# KiCad board obiwanstenobit.kicad_pcb
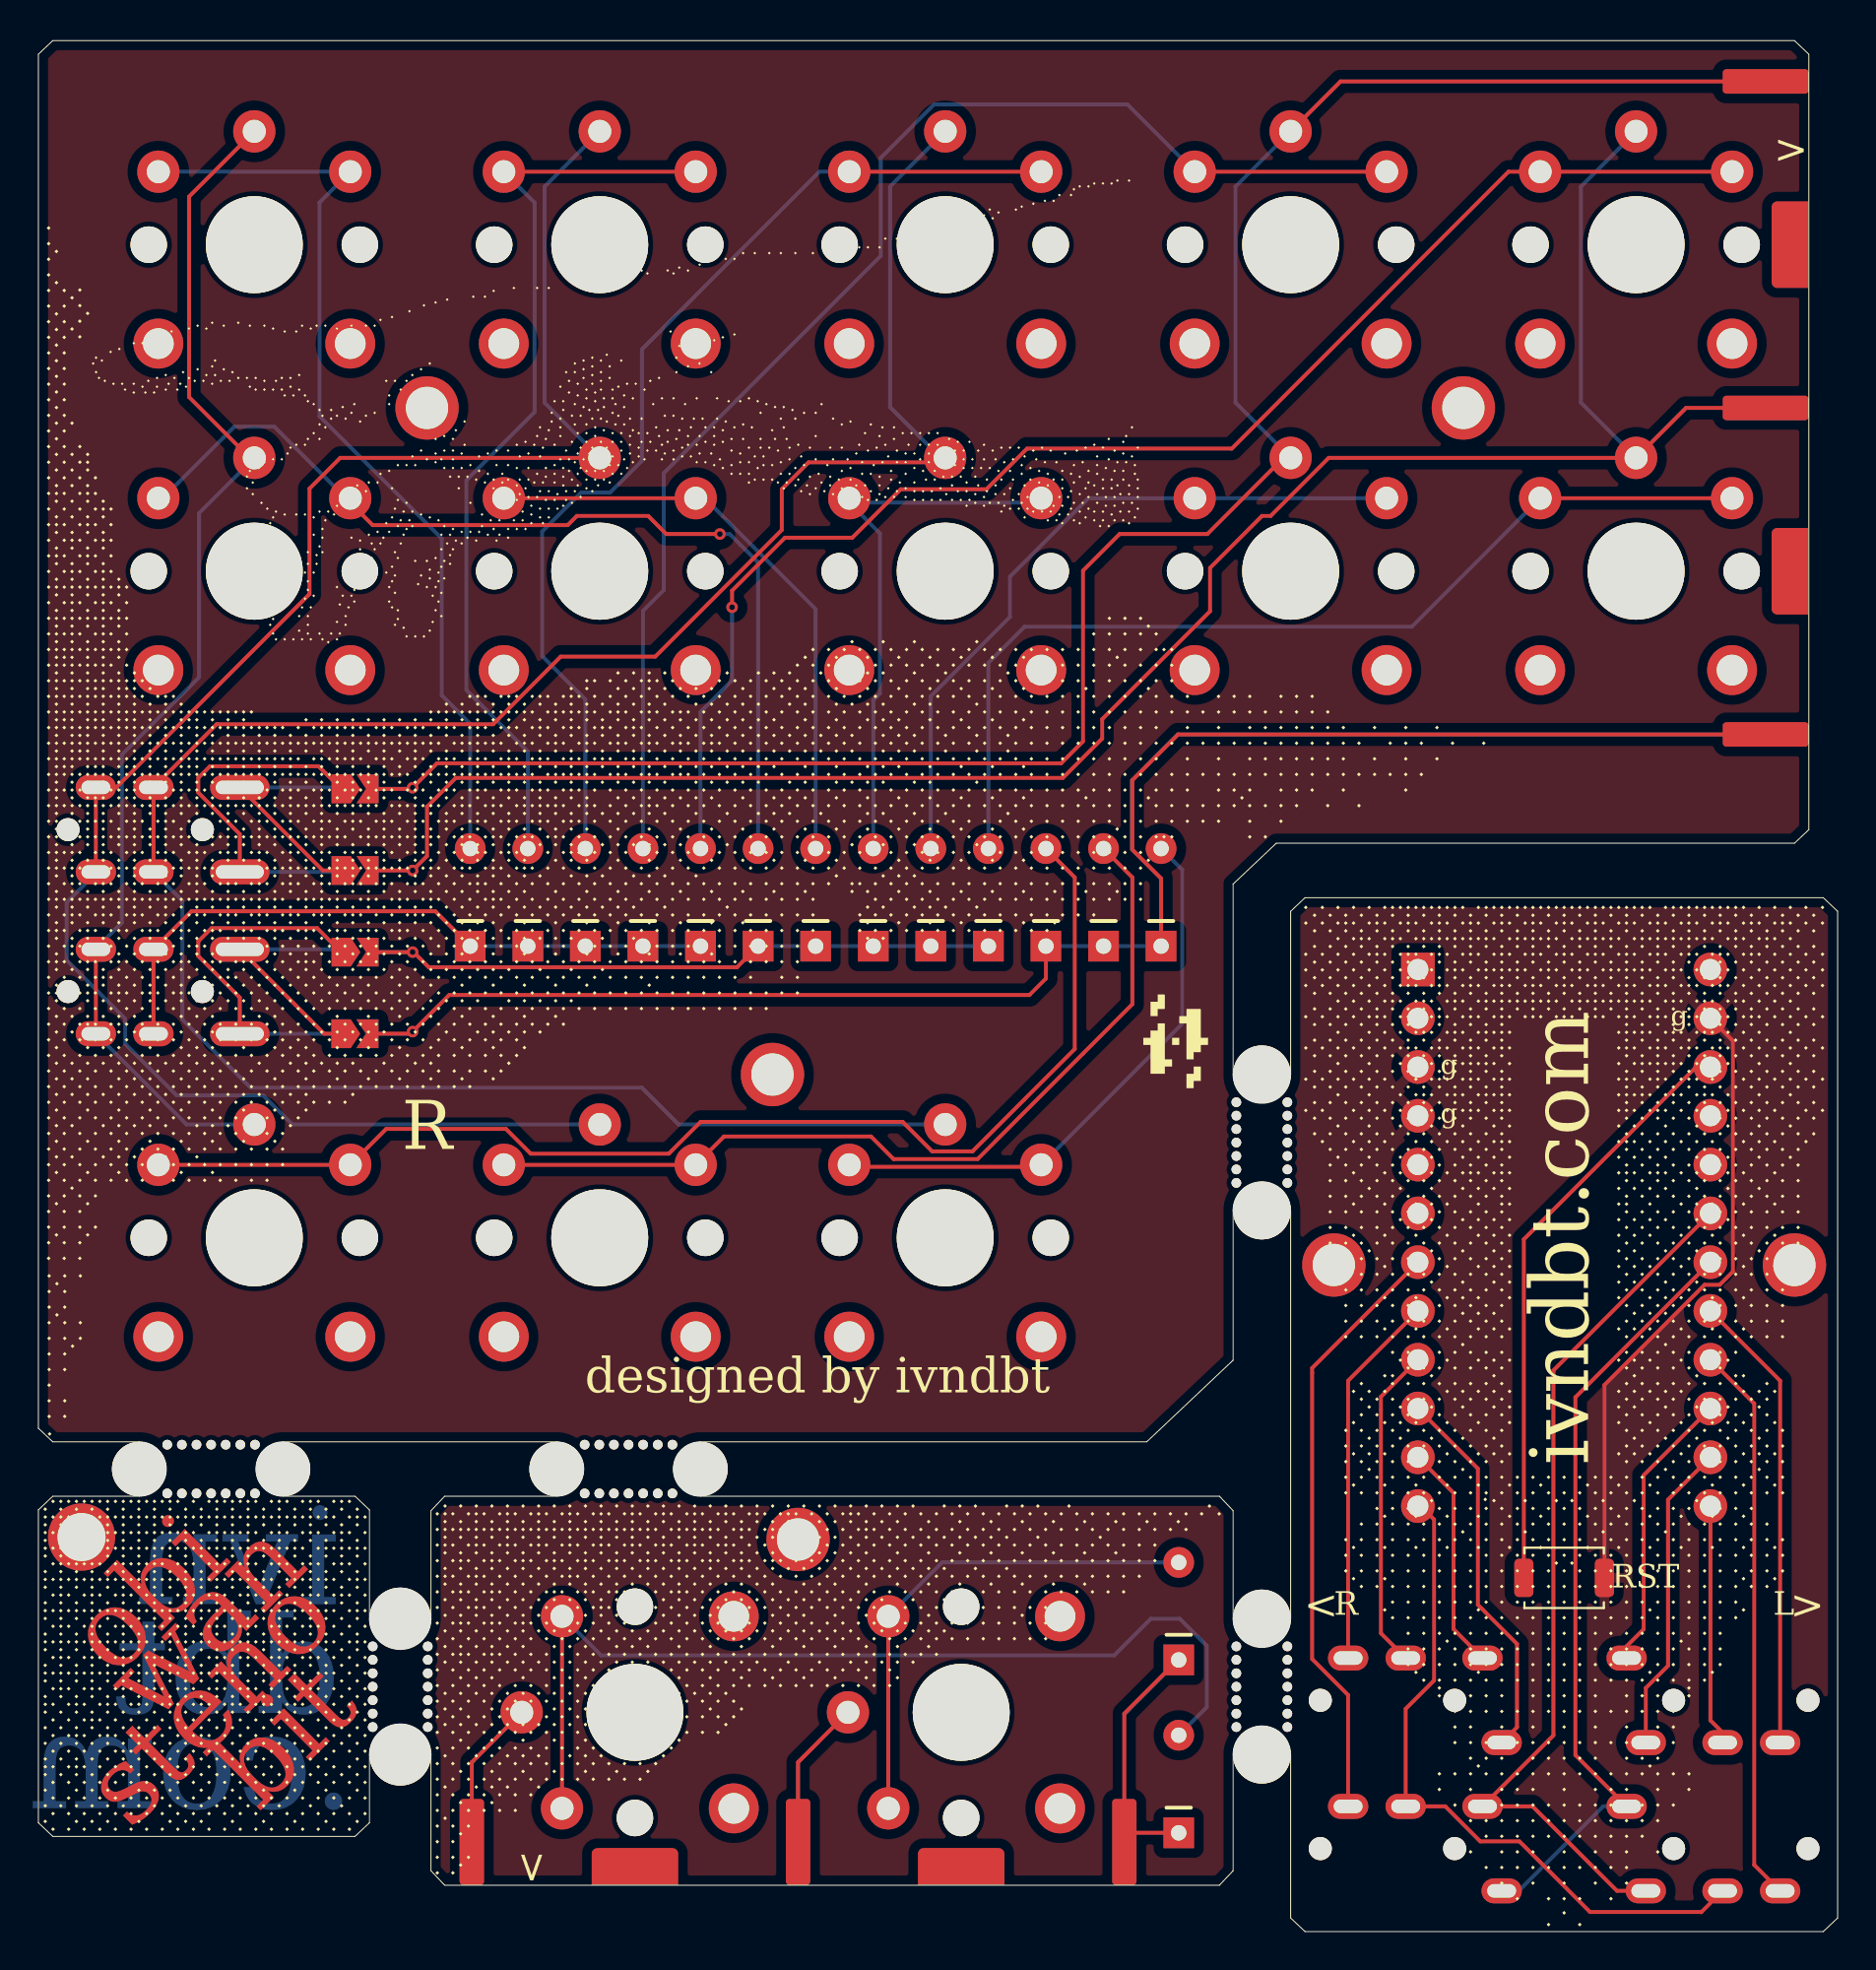
[diagram p0: board, top side]
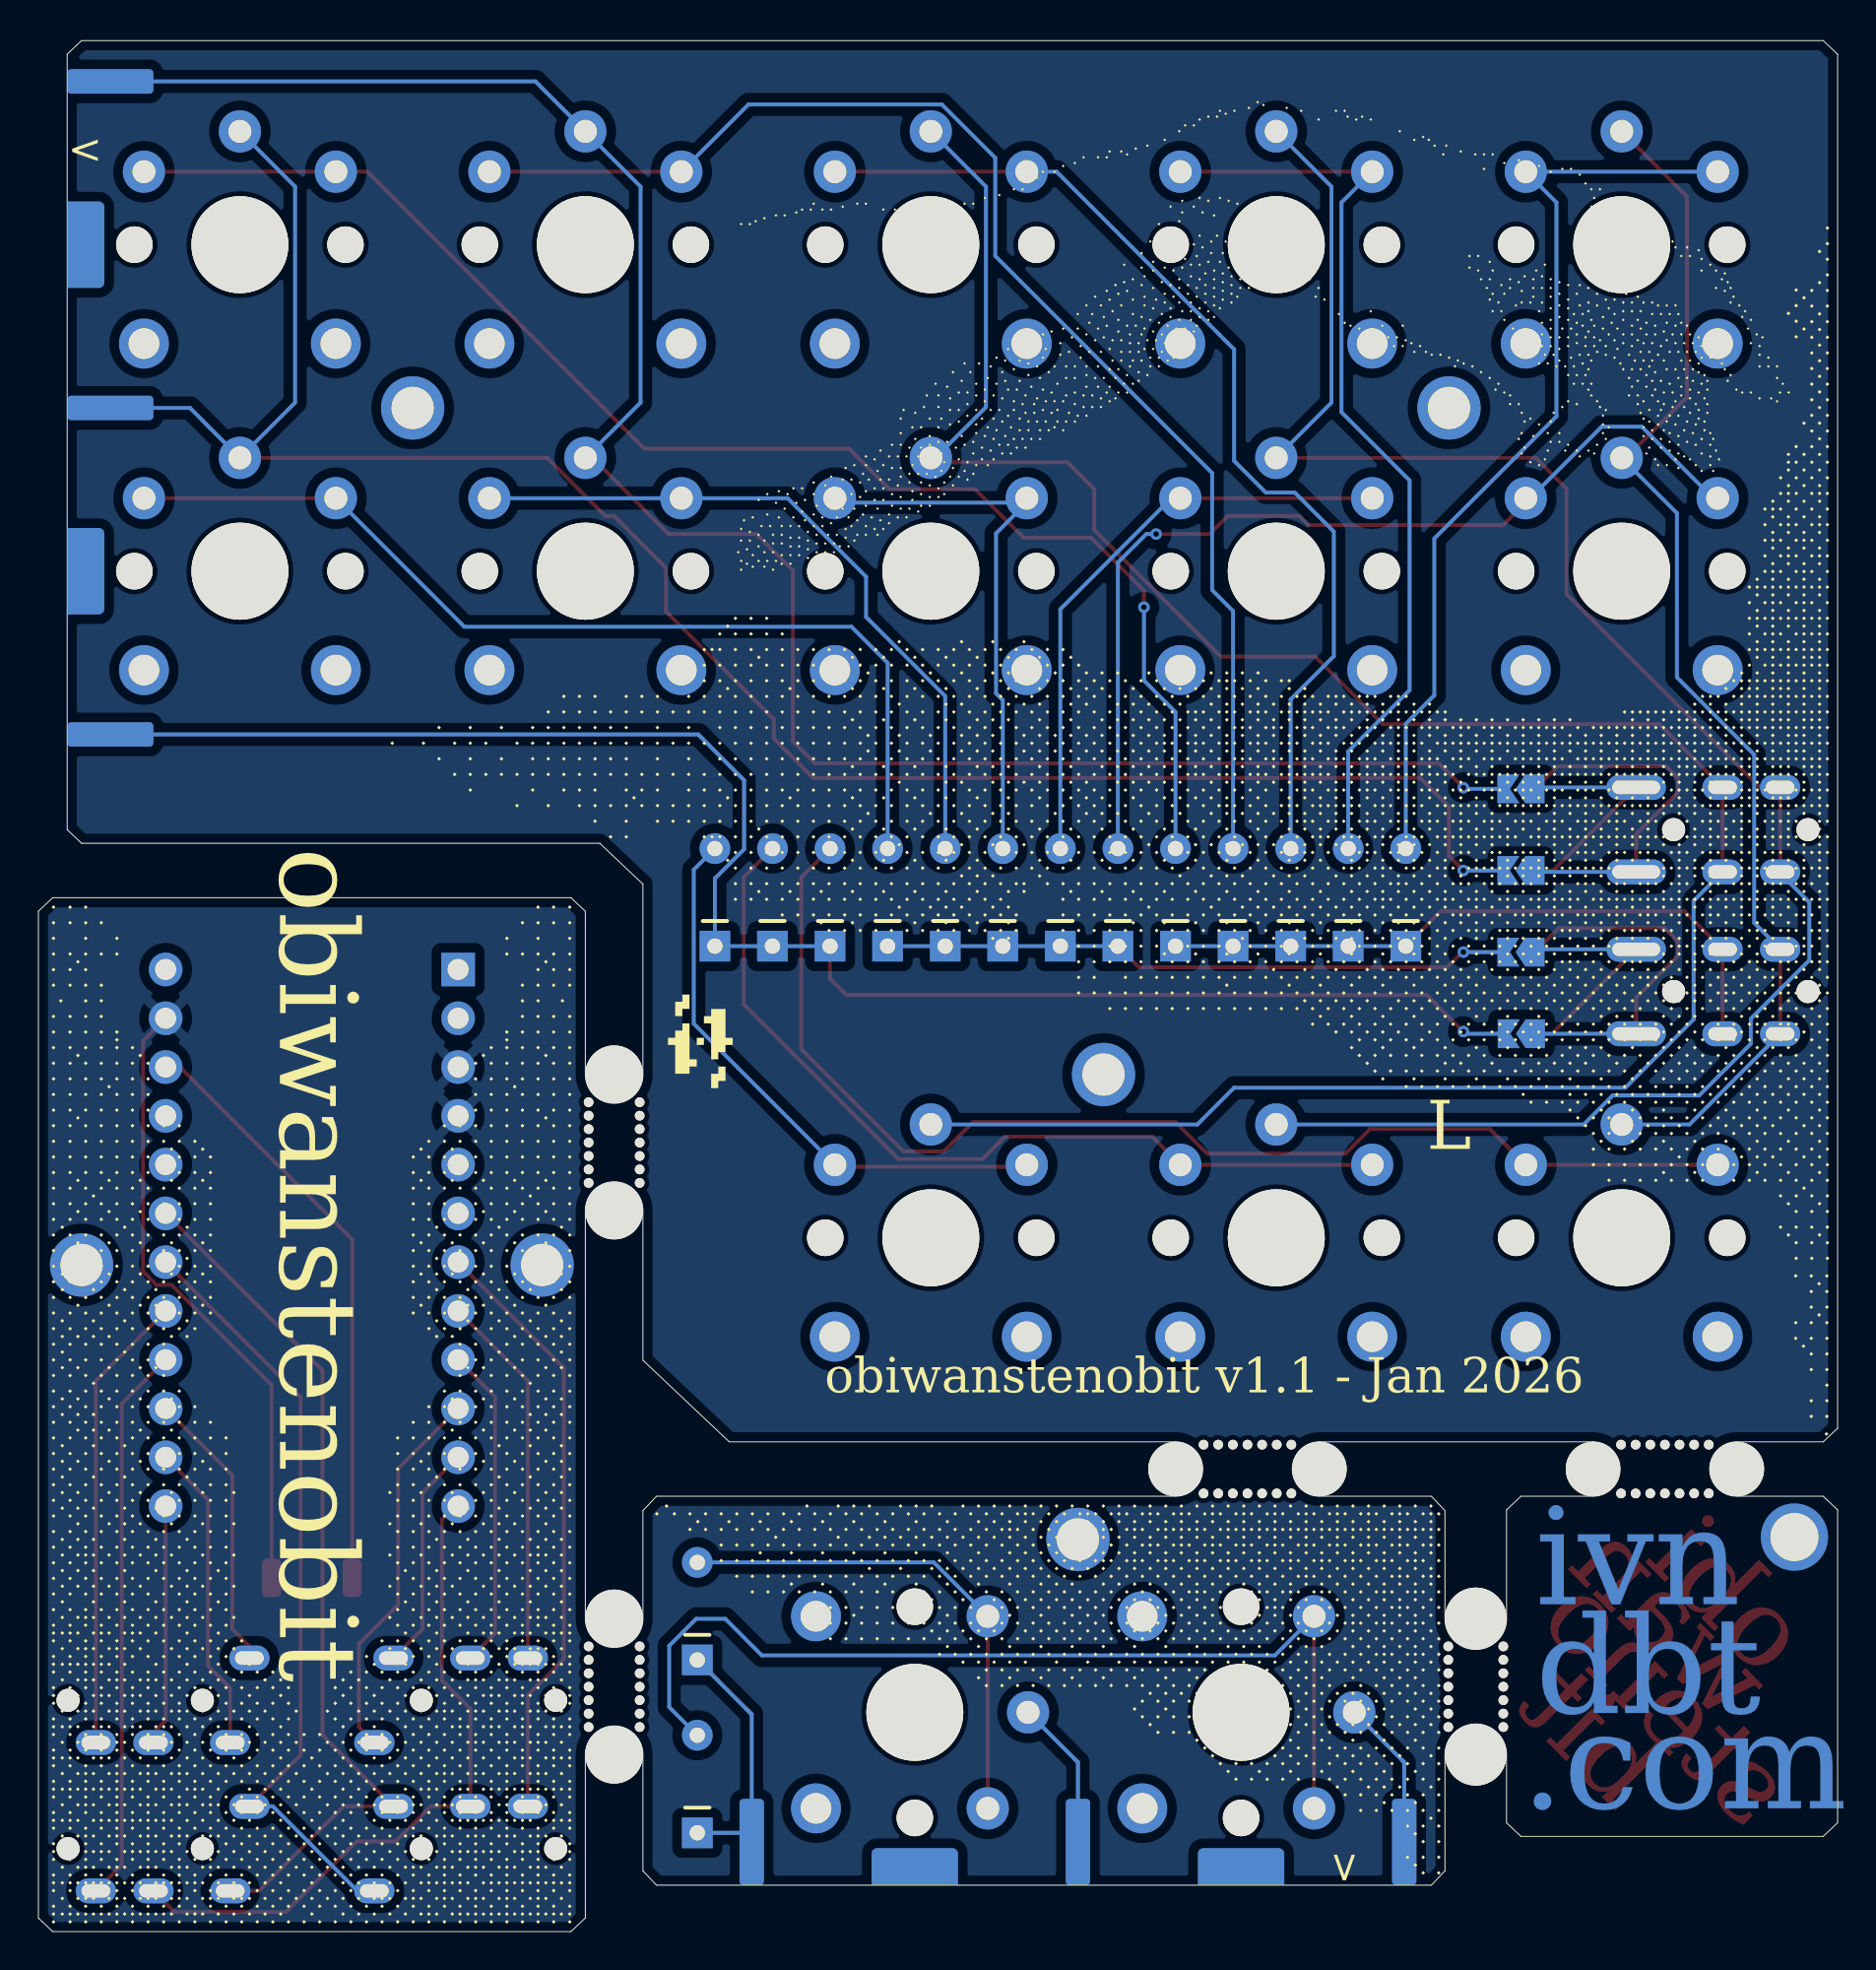
[diagram p1: board, bottom side, seen from below]

Outline 93.75 x 98.46 mm; copper layers: Top, Bottom. Coordinates in mm from the lower left corner of the outline.
Outline path: 0,97.75 0,26.21 0.75,25.5 5.25,25.5 arc(6.67,24.08) 5.25,22.67 0.75,22.67 0,21.96 0,5.67 0.75,4.96 16.5,4.96 17.25,5.67 17.25,9.21 arc(18.85,10.81) 20.46,9.21 20.46,3.17 21.17,2.42 61.54,2.42 62.25,3.17 62.25,9.21 arc(63.75,10.71) 65.25,9.21 65.25,0.71 66,0 93,0 93.75,0.71 93.75,53.12 93,53.83 66,53.83 65.25,53.12 65.25,44.62 arc(63.75,43.12) 62.25,44.62 62.25,54.54 64.5,56.67 91.5,56.67 92.25,57.37 92.25,97.75 91.5,98.46 0.75,98.46 0,97.75 ; 12.75,22.67 arc(11.33,24.08) 12.75,25.5 27,25.5 arc(28.42,24.08) 27,22.67 21.17,22.67 20.46,21.92 20.46,16.29 arc(18.85,14.69) 17.25,16.29 17.25,21.96 16.5,22.67 12.75,22.67 ; 34.5,22.67 arc(33.08,24.08) 34.5,25.5 57.75,25.5 62.25,29.75 62.25,37.54 arc(63.75,39.04) 65.25,37.54 65.25,16.29 arc(63.75,14.79) 62.25,16.29 62.25,21.92 61.54,22.67 34.5,22.67

## Placement (name value [footprint] x y rotation side)
D1  D  [Diode_DO-35_SOD27_P5.08mm]  22.5 51.31 90 top
D2  D  [Diode_DO-35_SOD27_P5.08mm]  25.5 51.31 90 top
D3  D  [Diode_DO-35_SOD27_P5.08mm]  28.5 51.31 90 top
D4  D  [Diode_DO-35_SOD27_P5.08mm]  31.5 51.31 90 top
D5  D  [Diode_DO-35_SOD27_P5.08mm]  34.5 51.31 90 top
D6  D  [Diode_DO-35_SOD27_P5.08mm]  37.5 51.31 90 top
D7  D  [Diode_DO-35_SOD27_P5.08mm]  40.5 51.31 90 top
D8  D  [Diode_DO-35_SOD27_P5.08mm]  43.5 51.31 90 top
D9  D  [Diode_DO-35_SOD27_P5.08mm]  46.5 51.31 90 top
D10  D  [Diode_DO-35_SOD27_P5.08mm]  49.5 51.31 90 top
D11  D  [Diode_DO-35_SOD27_P5.08mm]  52.5 51.31 90 top
D12  D  [Diode_DO-35_SOD27_P5.08mm]  55.5 51.31 90 top
D13  D  [Diode_DO-35_SOD27_P5.08mm]  58.5 51.31 90 top
D14  D  [Diode_DO-35_SOD27_P5.08mm]  59.42 5.14 90 top
D15  D  [Diode_DO-35_SOD27_P5.08mm]  59.42 14.14 90 top
G***  -  [LOGO]  0.08 22.6 0 top
G***#2  -  [LOGO]  59.26 46.35 0 top
G***#3  -  [LOGO]  0 61.98 0 top
G***#4  -  [LOGO]  79.5 53.83 270 top
G***#5  -  [LOGO]  0 61.98 0 top
G***#6  -  [LOGO]  2.25 81.46 0 top
G***#7  -  [LOGO]  20.25 22.67 0 top
G***#8  -  [LOGO]  20.25 22.67 0 top
G***#9  -  [LOGO]  59.26 46.35 0 bottom
G***#10  -  [LOGO]  79.5 0 90 bottom
G***#11  -  [LOGO]  2.25 81.46 180 bottom
HOLE5  Hole_D2.3mm  [MountingHole_D2.3mm]  67.5 34.71 0 top
HOLE5#2  Hole_D2.3mm  [MountingHole_D2.3mm]  39.58 20.42 90 top
HOLE5#3  Hole_D2.3mm  [MountingHole_D2.3mm]  74.25 79.33 0 top
HOLE5#4  Hole_D2.3mm  [MountingHole_D2.3mm]  20.25 79.33 0 top
HOLE5#5  Hole_D2.3mm  [MountingHole_D2.3mm#2]  2.25 20.54 0 top
HOLE5#6  Hole_D2.3mm  [MountingHole_D2.3mm]  38.25 44.62 0 top
HOLE5#7  Hole_D2.3mm  [MountingHole_D2.3mm]  91.5 34.71 0 top
J1  Conn_01x01  [Pad_SMD_Header_Lateral]  90 96.33 0 top
J2  Conn_01x01  [Pad_SMD_Header_Lateral]  90 96.33 180 bottom
J3  Conn_01x01  [Pad_SMD_Header_Lateral]  90 79.33 0 top
J4  Conn_01x01  [Pad_SMD_Header_Lateral]  90 79.33 180 bottom
J5  Conn_01x01  [Pad_SMD_Header_Lateral]  90 62.33 0 top
J6  Conn_01x01  [Pad_SMD_Header_Lateral]  90 62.33 180 bottom
J7  Conn_01x01  [Pad_SMD_Header_Lateral]  22.58 4.67 90 top
J8  Conn_01x01  [Pad_SMD_Header_Lateral]  22.58 4.67 270 bottom
J9  Conn_01x01  [Pad_SMD_Header_Lateral]  39.58 4.67 90 top
J10  Conn_01x01  [Pad_SMD_Header_Lateral]  39.58 4.67 270 bottom
J11  Conn_01x01  [Pad_SMD_Header_Lateral]  56.58 4.67 90 top
J12  Conn_01x01  [Pad_SMD_Header_Lateral]  56.58 4.67 270 bottom
J13  RIGHT1  [TRRS-PJ-320A]  63.09 14.24 0 top
J14  RIGHT2  [TRRS-PJ-320A]  63.09 6.52 0 top
J15  LEFT1  [TRRS-PJ-320A]  95.91 9.84 180 top
J16  LEFT2  [TRRS-PJ-320A]  95.91 2.12 180 top
J17  KEEB1  [TRRS-PJ-320A-DoubleSided]  -2.16 59.57 0 top
J18  KEEB2  [TRRS-PJ-320A-DoubleSided]  -2.16 51.15 0 top
JP1  SolderJumper_2_Open  [SolderJumper-2_P1.3mm_Open_TrianglePad1.0x1.5mm]  16.5 59.5 0 bottom
JP2  SolderJumper_2_Open  [SolderJumper-2_P1.3mm_Open_TrianglePad1.0x1.5mm]  16.5 59.5 0 top
JP3  SolderJumper_2_Open  [SolderJumper-2_P1.3mm_Open_TrianglePad1.0x1.5mm]  16.5 55.25 0 bottom
JP4  SolderJumper_2_Open  [SolderJumper-2_P1.3mm_Open_TrianglePad1.0x1.5mm]  16.5 55.25 0 top
JP5  SolderJumper_2_Open  [SolderJumper-2_P1.3mm_Open_TrianglePad1.0x1.5mm]  16.5 51 0 bottom
JP6  SolderJumper_2_Open  [SolderJumper-2_P1.3mm_Open_TrianglePad1.0x1.5mm]  16.5 51 0 top
JP7  SolderJumper_2_Open  [SolderJumper-2_P1.3mm_Open_TrianglePad1.0x1.5mm]  16.47 46.75 0 bottom
JP8  SolderJumper_2_Open  [SolderJumper-2_P1.3mm_Open_TrianglePad1.0x1.5mm]  16.5 46.75 0 top
mouse-bite-2.54mm-slot  VAL**  [MouseBite-H3mm-W7.083mm-choc-vert]  63.75 12.75 90 top
mouse-bite-2.54mm-slot#2  VAL**  [MouseBite-H3mm-W7.083mm-choc-vert#2]  18.75 12.75 90 top
mouse-bite-2.54mm-slot#3  VAL**  [MouseBite-H3mm-W7.083mm-choc-vert]  63.75 41.08 90 top
mouse-bite-2.54mm-slot#4  VAL**  [MouseBite-H2.833mm-W4.57mm]  9 24.08 0 top
mouse-bite-2.54mm-slot#5  VAL**  [MouseBite-H2.833mm-W4.57mm]  30.75 24.08 0 top
MX1  MX-NoLED  [SW_Kailh_Choc_V1V2_1.00u-DoubleSided]  11.25 87.83 0 top
MX2  MX-NoLED  [SW_Kailh_Choc_V1V2_1.00u-DoubleSided]  29.25 87.83 0 top
MX3  MX-NoLED  [SW_Kailh_Choc_V1V2_1.00u-DoubleSided]  47.25 87.83 0 top
MX4  MX-NoLED  [SW_Kailh_Choc_V1V2_1.00u-DoubleSided]  65.25 87.83 0 top
MX5  MX-NoLED  [SW_Kailh_Choc_V1V2_1.00u-DoubleSided]  83.25 87.83 0 top
MX6  MX-NoLED  [SW_Kailh_Choc_V1V2_1.00u-DoubleSided]  11.25 70.83 0 top
MX7  MX-NoLED  [SW_Kailh_Choc_V1V2_1.00u-DoubleSided]  29.25 70.83 0 top
MX8  MX-NoLED  [SW_Kailh_Choc_V1V2_1.00u-DoubleSided]  47.25 70.83 0 top
MX9  MX-NoLED  [SW_Kailh_Choc_V1V2_1.00u-DoubleSided]  65.25 70.83 0 top
MX10  MX-NoLED  [SW_Kailh_Choc_V1V2_1.00u-DoubleSided]  83.25 70.83 0 top
MX11  MX-NoLED  [SW_Kailh_Choc_V1V2_1.00u-DoubleSided]  11.25 36.12 0 top
MX12  MX-NoLED  [SW_Kailh_Choc_V1V2_1.00u-DoubleSided]  29.25 36.12 0 top
MX13  MX-NoLED  [SW_Kailh_Choc_V1V2_1.00u-DoubleSided]  47.25 36.12 0 top
MX14  MX-NoLED  [SW_Kailh_Choc_V1V2_1.00u-DoubleSided]  31.08 11.42 90 top
MX15  MX-NoLED  [SW_Kailh_Choc_V1V2_1.00u-DoubleSided]  48.08 11.42 90 top
REF**  -  [Pad_SMD_Big_Solder]  91.26 87.83 0 top
REF**#2  -  [Pad_SMD_Big_Solder]  91.26 70.83 0 top
REF**#3  -  [Pad_SMD_Big_Solder]  48.08 3.39 270 top
REF**#4  -  [Pad_SMD_Big_Solder]  31.08 3.39 270 top
REF**#5  -  [Pad_SMD_Big_Solder]  91.26 70.83 0 bottom
REF**#6  -  [Pad_SMD_Big_Solder]  91.26 87.83 0 bottom
REF**#7  -  [Pad_SMD_Big_Solder]  31.08 3.39 270 bottom
REF**#8  -  [Pad_SMD_Big_Solder]  48.08 3.39 270 bottom
SW1  RST  [Button_SW_4x3mm_SMD]  79.5 18.42 0 top
U1  ProMicro  [ArduinoProMicro]  79.5 36.12 270 top

## Library data of the parts
D1-D15 = -: Description: Diode; ki_fp_filters: TO-???* *_Diode_* *SingleDiode* D_*
J1-J12 = -: Description: Generic connector, single row, 01x01, script generated (kicad-library-utils/schlib/autogen/connector/); ki_fp_filters: Connector*:*_1x??_*
J13-J18 = -: Description: Audio Jack, 4 Poles (TRRS); ki_fp_filters: Jack*
JP1-JP8 = -: Description: Solder Jumper, 2-pole, open; ki_fp_filters: SolderJumper*Open*
SW1 = -: Datasheet: http://www.apem.com/int/index.php?controller=attachment&id_attachment=488; Description: MEC 5G single pole normally-open tactile switch; ki_fp_filters: SW*MEC*5G*

## Footprints (pads in the part's own frame, mm; a bottom-side part is the same pattern mirrored in y, then rotated)
ArduinoProMicro
  rect 1.753x1.753 hole 1.092: 1(-13.97,-7.62)
  round 1.753 hole 1.092: 2(-11.43,-7.62) 3(-8.89,-7.62) 4(-6.35,-7.62) 5(-3.81,-7.62) 6(-1.27,-7.62) 7(1.27,-7.62) 8(3.81,-7.62) 9(6.35,-7.62) 10(8.89,-7.62) 11(11.43,-7.62) 12(13.97,-7.62) 13(13.97,7.62) 14(11.43,7.62) 15(8.89,7.62) 16(6.35,7.62) 17(3.81,7.62) 18(1.27,7.62) 19(-1.27,7.62) 20(-3.81,7.62) 21(-6.35,7.62) 22(-8.89,7.62) 23(-11.43,7.62) 24(-13.97,7.62)
Button_SW_4x3mm_SMD
  rrect 1x2 smd: 1(-2.1,0) 2(2.1,0)
Diode_DO-35_SOD27_P5.08mm
  rect 1.6x1.6 hole 0.8: 1(0,0)
  oval 1.6x1.6 hole 0.8: 2(5.08,0)
MountingHole_D2.3mm
  round 3.3 hole 2.2: 1(0,0)
MountingHole_D2.3mm#2
  round 3.5 hole 2.5: (0,0)
MouseBite-H2.833mm-W4.57mm
  round 2.833 hole 2.833 unplated: (-3.75,0) (3.75,0)
  round 0.5 hole 0.5 unplated: (-2.286,1.27) (-2.286,-1.27) (-1.524,1.27) (-1.524,-1.27) (-0.762,1.27) (-0.762,-1.27) (0,1.27) (0,-1.27) (0.762,1.27) (0.762,-1.27) (1.524,1.27) (1.524,-1.27) (2.286,1.27) (2.286,-1.27)
MouseBite-H3mm-W7.083mm-choc-vert
  round 3 hole 3 unplated: (-3.542,0) (3.556,0)
  round 0.5 hole 0.5 unplated: (-2.1,1.33) (-2.1,-1.33) (-1.4,1.33) (-1.4,-1.33) (-0.7,1.33) (-0.7,-1.33) (0,1.33) (0,-1.33) (0.7,1.33) (0.7,-1.33) (1.4,1.33) (1.4,-1.33) (2.1,1.33) (2.1,-1.33)
MouseBite-H3mm-W7.083mm-choc-vert#2
  round 3.208 hole 3.208 unplated: (-3.542,-0.104) (3.556,-0.104)
  round 0.5 hole 0.5 unplated: (-2.1,1.33) (-2.1,-1.538) (-1.4,1.33) (-1.4,-1.538) (-0.7,1.33) (-0.7,-1.538) (0,1.33) (0,-1.538) (0.7,1.33) (0.7,-1.538) (1.4,1.33) (1.4,-1.538) (2.1,1.33) (2.1,-1.538)
Pad_SMD_Big_Solder
  rrect 1.9x4.5 smd: 1(0,0)
Pad_SMD_Header_Lateral
  rrect 4.48x1.27 smd: 1(0,0)
SolderJumper-2_P1.3mm_Open_TrianglePad1.0x1.5mm
  custom 1.5x1.5 smd: 1(-0.725,0)
  custom 1.15x1.5 smd: 2(0.725,0)
SW_Kailh_Choc_V1V2_1.00u-DoubleSided
  round 1.9 hole 1.9 unplated: (-5.5,0) (5.5,0)
  round 2.6 hole 1.6: (-5,-5.15) (5,-5.15)
  round 5.05 hole 5.05 unplated: (0,0)
  round 2.2 hole 1.2: 1(0,5.9) 2(-5,3.8) 2(5,3.8)
TRRS-PJ-320A
  round 1.2 hole 1.2 unplated: (3.7,-2.2) (10.7,-2.2)
  oval 2.1x1.3 hole 1.5x0.7: 1(13.15,-4.4) 2(12.15,0) 3(8.15,0) 4(5.15,0)
TRRS-PJ-320A-DoubleSided
  round 1.2 hole 1.2 unplated: (3.7,-2.2) (10.7,-2.2)
  oval 3.1x1.3 hole 2.5x0.7: 1(12.65,-4.4) 2(12.65,0)
  oval 2.1x1.3 hole 1.5x0.7: 3(8.15,0) 3(8.15,-4.4) 4(5.15,0) 4(5.15,-4.4)

## Nets
GND: SW1.2 U1.3 U1.4 U1.23
col0: J18.4 MX1.1 MX6.1 MX11.1
col0l: J16.4 U1.16
col0r: J14.4 U1.7
col1: J17.4 MX2.1 MX7.1 MX12.1
col1l: J15.4 U1.17
col1r: J13.4 U1.8
col2: J17.3 MX3.1 MX8.1 MX13.1
col2l: J15.3 U1.13
col2r: J13.3 U1.9
col3: J1.1 J2.1 JP1.2 JP2.2 MX4.1 MX9.1
col3l: J15.2 U1.14
col3r: J13.2 U1.11
col4: J3.1 J4.1 JP3.2 JP4.2 MX5.1 MX10.1
col4l: J15.1 U1.15
col4r: J13.1 U1.10
row0: D1.1 D2.1 D3.1 D4.1 D5.1 J18.3
row0c: J14.3 J16.3 U1.12
row1: D6.1 D7.1 D8.1 D9.1 D10.1 JP5.2 JP6.2
row1c: J14.2 J16.2 U1.19
row2: D11.1 D12.1 D13.1 J5.1 J6.1 JP7.2 JP8.2
row2c: J14.1 J16.1 U1.18
Net-(D1-A): D1.2 MX1.2
Net-(D2-A): D2.2 MX2.2
Net-(D3-A): D3.2 MX3.2
Net-(D4-A): D4.2 MX4.2
Net-(D5-A): D5.2 MX5.2
Net-(D6-A): D6.2 MX6.2
Net-(D7-A): D7.2 MX7.2
Net-(D8-A): D8.2 MX8.2
Net-(D9-A): D9.2 MX9.2
Net-(D10-A): D10.2 MX10.2
Net-(D11-A): D11.2 MX11.2
Net-(D12-A): D12.2 MX12.2
Net-(D13-A): D13.2 MX13.2
Net-(D14-A): D14.2 MX14.2
Net-(D14-K): D14.1 D15.1 J11.1 J12.1
Net-(D15-A): D15.2 MX15.2
Net-(J7-Pin_1): J7.1 J8.1 MX14.1
Net-(J10-Pin_1): J9.1 J10.1 MX15.1
Net-(J17-R): J17.2 JP1.1 JP4.1
Net-(J17-T): J17.1 JP2.1 JP3.1
Net-(J18-R): J18.2 JP5.1 JP8.1
Net-(J18-T): J18.1 JP6.1 JP7.1
Net-(U1-RST): SW1.1 U1.22

Pads without a net: HOLE5 1; HOLE5#2 1; HOLE5#3 1; HOLE5#4 1; HOLE5#6 1; HOLE5#7 1; REF** 1; REF**#2 1; REF**#3 1; REF**#4 1; REF**#5 1; REF**#6 1; REF**#7 1; REF**#8 1; U1 1 2 5 6 20 21 24

## Via types
v1: diameter 0.6, hole 0.3, Top to Bottom, 6 vias

## Routing (per net, layer and track width the routed paths; a pad name or vN(x,y) marks a point on that pad's centre or on a via; arc(x,y) is an arc through that point)
GND: length 32.9
  Top w0.2: SW1.2 81.6,28.46 86.82,33.68 87.61,33.68 88.3,34.37 88.3,46.38 U1.23
col0: length 63.7
  Top w0.2: J18.4 J18.4 ; 11.25,76.5 7.85,79.9 7.85,90.33 MX1.1
  Bottom w0.2: MX6.1 8.37,73.86 8.37,65.31 4.35,61.28 4.35,52.53 3,51.18 J18.4 ; MX11.1 7.72,42.02 J18.4
col0l: length 29.2
  Top w0.2: U1.16 89.4,27.49 89.4,3.47 J16.4
col0r: length 31.4
  Top w0.2: U1.7 66.37,29.35 66.37,14.19 68.25,12.32 J14.4
col1: length 97.8
  Top w0.2: J17.4 J17.4 4.06,59.57 14.13,69.64 14.13,75.13 15.73,76.73 MX7.1
  Bottom w0.2: MX2.1 26.37,90.86 26.37,79.61 MX7.1 ; J17.4 3,55.11 1.47,53.59 1.47,50.57 4.52,47.53 4.52,46.23 7.21,43.54 11.72,43.54 13.23,42.02 MX12.1 ; 3.13,59.57 J17.4
col1l: length 24
  Top w0.2: U1.17 90.75,28.68 J15.4
col1r: length 19.6
  Top w0.2: J13.4 68.25,28.68 U1.8
col2: length 123.8
  Top w0.2: J17.3 J17.3 9.29,62.87 23.7,62.87 27.22,66.38 32.14,66.38 38.74,72.98 38.74,75.1 40.13,76.5 47.25,76.5
  Bottom w0.2: 47.25,76.5 44.37,79.38 44.37,90.86 MX3.1 ; J17.3 7.5,53.67 7.5,47.49 11.06,43.94 31.45,43.94 33.36,42.02 MX13.1
col2l: length 12.6
  Top w0.2: J15.3 87.75,10.36 87.12,11 U1.13
col2r: length 16.9
  Top w0.2: U1.9 69.95,27.85 69.95,15.53 J13.3
col3: length 133.9
  Top w0.2: J1.1 67.85,96.33 MX4.1 ; MX9.1 64.88,76.73 60.91,72.77 56.34,72.77 54.43,70.86 54.43,61.97 53.29,60.83 20.77,60.83 v1(19.5,59.56) 19.44,59.5 17.25,59.5 17.31,59.56
  Bottom w0.2: J1.1 67.85,96.33 MX4.1 62.37,90.86 62.37,79.61 MX9.1 ; v1(19.5,59.56) 19.44,59.5 JP2.2 17.29,59.56
col3l: length 16.2
  Top w0.2: U1.14 84.91,22.49 84.91,13.84 83.75,12.68 J15.2
col3r: length 11.8
  Top w0.2: U1.11 73.74,22.84 73.74,15.75 J13.2
col4: length 115.7
  Top w0.2: 17.2,55.25 v1(19.5,55.25) 20.25,56 20.25,58.57 21.75,60.07 53.38,60.07 55.43,62.12 55.43,63.13 61.05,68.75 61.05,71 63.76,73.71 64.21,73.71 67.23,76.73 MX10.1 85.85,79.33 J3.1
  Bottom w0.2: 17.23,55.24 JP4.2 v1(19.5,55.25) ; MX5.1 80.37,90.86 80.37,79.61 MX10.1 85.85,79.33 J3.1
col4l: length 14.8
  Top w0.2: U1.15 83.64,23.76 83.64,15.75 82.75,14.86 J15.1
col4r: length 19.9
  Top w0.2: J13.1 77.04,10.64 77.04,14.98 75.01,17.02 75.01,24.11 U1.10
row0: length 34.5
  Top w0.2: D1.1 20.69,53.12 7.97,53.12 J18.3 J18.3
  Bottom w0.2: D5.1 D1.1
row0c: length 35.9
  Top w0.2: J16.3 86.65,1.01 86.64,1.02 80.85,1.02 77.17,4.7 75.13,4.7 73.31,6.52 J14.3 71.25,11.6 72.72,13.08 72.72,21.46 72.03,22.15 U1.12
row1: length 35.3
  Top w0.2: JP6.2 v1(19.5,51) 19.55,51 20.34,50.21 36.4,50.21 D6.1
  Bottom w0.2: v1(19.5,51) JP6.2 ; D6.1 D10.1
row1c: length 46.1
  Top w0.2: J16.2 82.25,2.12 77.85,6.52 J14.2 78.94,10.22 78.94,29.22 U1.19
row2: length 133.3
  Top w0.2: J5.1 59.39,62.33 57,59.95 57,56.33 58.5,54.83 D13.1 ; D11.1 52.5,49.63 51.64,48.77 21.41,48.77 v1(19.5,46.86) 19.38,46.74 19.37,46.75 JP8.2 17.34,46.86
  Bottom w0.2: JP7.2 19.39,46.75 v1(19.5,46.86) ; 17.34,46.86 JP8.2 ; D11.1 D13.1 58.5,54.83 56.97,56.36 56.97,59.94 59.37,62.33 J5.1
row2c: length 40.7
  Top w0.2: J16.1 80.09,9.19 80.09,27.82 U1.18
  Bottom w0.2: J14.1 77.13,2.12 81.53,6.52 J16.1
Net-(D1-A): length 49.2
  Bottom w0.2: MX1.2 MX1.2 14.65,90.03 14.65,78.9 21.02,72.53 21.02,64.37 22.5,62.89 D1.2
Net-(D2-A): length 48.7
  Top w0.2: MX2.2 MX2.2
  Bottom w0.2: MX2.2 25.85,90.03 25.85,79.11 22.3,75.56 22.3,64.64 25.5,61.44 D2.2
Net-(D3-A): length 54.6
  Top w0.2: MX3.2 MX3.2
  Bottom w0.2: D3.2 28.5,64.16 26.25,66.41 26.25,72.9 28.28,74.93 29.79,74.93 31.45,76.58 31.45,82.38 40.69,91.63 MX3.2
Net-(D4-A): length 70.1
  Top w0.2: MX4.2 MX4.2
  Bottom w0.2: D4.2 31.5,68.76 32.59,69.85 32.59,75.94 43.89,87.25 43.89,92.36 46.67,95.13 56.75,95.13 MX4.2
Net-(D5-A): length 75.3
  Top w0.2: MX5.2 MX5.2 76.6,91.63 62.18,77.21 51.51,77.21 49.4,75.1 44.93,75.1 42.41,72.58 38.9,72.58 36.15,69.82 v1(36.15,68.96)
  Bottom w0.2: D5.2 34.5,63.5 36.15,65.14 v1(36.15,68.96)
Net-(D6-A): length 51.1
  Top w0.2: 16.27,74.42 16.25,74.4 17.42,73.23 27.58,73.23 28.06,73.71 31.77,73.71 32.72,72.77 v1(35.51,72.77)
  Bottom w0.2: 6.25,74.4 10.21,78.36 12.29,78.36 16.25,74.4 ; v1(35.51,72.77) 36.02,72.77 37.5,71.29 D6.2
Net-(D7-A): length 31.1
  Top w0.2: MX7.2 MX7.2
  Bottom w0.2: D7.2 40.5,68.85 34.72,74.63 MX7.2
Net-(D8-A): length 28.8
  Bottom w0.2: D8.2 43.5,64.12 43.85,64.47 43.85,72.8 42.25,74.4 52.25,74.4
Net-(D9-A): length 37.2
  Bottom w0.2: D9.2 46.5,64.33 50.62,68.45 50.62,70.55 54.71,74.63 MX9.2 MX9.2
Net-(D10-A): length 52
  Top w0.2: MX10.2 MX10.2
  Bottom w0.2: MX10.2 71.56,67.94 51.38,67.94 49.5,66.06 D10.2
Net-(D11-A): length 63.6
  Top w0.2: MX11.2 MX11.2 18.12,41.79 24.36,41.79 25.65,40.51 32.85,40.51 34.5,42.16 45.03,42.16 46.57,40.62 48.67,40.62 54,45.95 54,54.89 D11.2
Net-(D12-A): length 45.9
  Top w0.2: D12.2 57,54.89 57,48.28 48.94,40.22 44.56,40.22 43.38,41.4 35.72,41.4 MX12.2 MX12.2
Net-(D13-A): length 30.1
  Top w0.2: MX13.2 52.15,39.82 42.35,39.82 MX13.2
  Bottom w0.2: D13.2 59.6,55.29 59.6,47.28 MX13.2
Net-(D14-A): length 51.1
  Top w0.2: MX14.2 MX14.2
  Bottom w0.2: MX14.2 29.32,14.38 56.05,14.38 57.96,16.29 59.48,16.29 60.88,14.88 60.88,11.69 D14.2
Net-(D14-K): length 27.8
  Top w0.2: D14.1 57.06,5.14 J11.1 56.58,11.35 59.37,14.14 D15.1
  Bottom w0.2: 56.58,11.31 J11.1 57.09,5.17 57.12,5.14 D14.1 ; 56.58,11.31 56.87,11.6 ; 56.58,11.31 56.87,11.6 ; 56.87,11.6 D15.1
Net-(D15-A): length 26.3
  Top w0.2: MX15.2 MX15.2
  Bottom w0.2: D15.2 47.09,19.22 MX15.2
Net-(J7-Pin_1): length 15.8
  Top w0.2: MX14.1 22.58,8.82 J7.1
  Bottom w0.2: 22.7,8.93 22.58,8.82 ; 22.7,8.93 MX14.1 ; 22.7,8.93 22.58,8.82 ; 22.58,8.82 J7.1
Net-(J10-Pin_1): length 15.9
  Top w0.2: MX15.1 39.58,8.82 J9.1
  Bottom w0.2: J9.1 39.58,8.82 ; 39.58,8.82 39.77,9.01 ; 39.58,8.82 39.77,9.01 ; 39.77,9.01 MX15.1
Net-(J17-R): length 12.5
  Top w0.2: J17.2 14.82,55.25 JP4.1 ; 15.67,55.17 15.75,55.25
  Bottom w0.2: JP1.1 15.7,59.57 J17.2 ; 10,59.57 10.04,59.57
Net-(J17-T): length 19.6
  Top w0.2: 15.72,59.57 15.8,59.5 ; J17.1 10.5,57.14 8.33,59.31 8.33,60.07 8.94,60.68 14.6,60.68 JP2.1
  Bottom w0.2: 15.57,55.25 JP3.1 15.7,55.17 J17.1
Net-(J18-R): length 12.6
  Top w0.2: J18.2 14.89,46.75 JP8.1
  Bottom w0.2: J18.2 15.35,51.15 15.5,51 JP5.1 15.63,51.15
Net-(J18-T): length 19.2
  Top w0.2: JP6.1 14.53,52.25 9.02,52.25 8.33,51.56 8.33,50.8 10.5,48.63 J18.1 10.5,46.75 ; 11,46.75 11.01,46.76
  Bottom w0.2: 15.75,46.75 JP7.1 10.5,46.75 J18.1
Net-(U1-RST): length 30.3
  Top w0.2: 86.37,45.01 77.4,36.04 SW1.1

## Copper pours and planes (outline as drawn; the poured copper is in the pictures)
GND on Top, Bottom: 93.75,53.83 65.25,53.83 65.25,0 93.75,0
(no net) on Top, Bottom: 0,98.46 92.25,98.46 92.25,56.67 64.5,56.67 62.25,54.54 62.25,29.75 57.75,25.5 0,25.5
(no net) on Top, Bottom: 20.25,22.67 62.25,22.67 62.25,2.12 20.25,2.12

## Text on the board
Bottom: ivn | dbt | .com
B.Mask: ivn | dbt | .com
B.Paste: ivn | dbt | .com
B.Silkscreen: obiwanstenobit | > | obiwanstenobit v1.1 - Jan 2026 | L
Top: obi | wan | steno | bit
F.Mask: obi | wan | steno | bit
F.Paste: obi | wan | steno | bit
F.Silkscreen: ivndbt.com | g | R | RST | L | < | > | designed by ivndbt
